# KiCad board processed.kicad_pcb (continued)
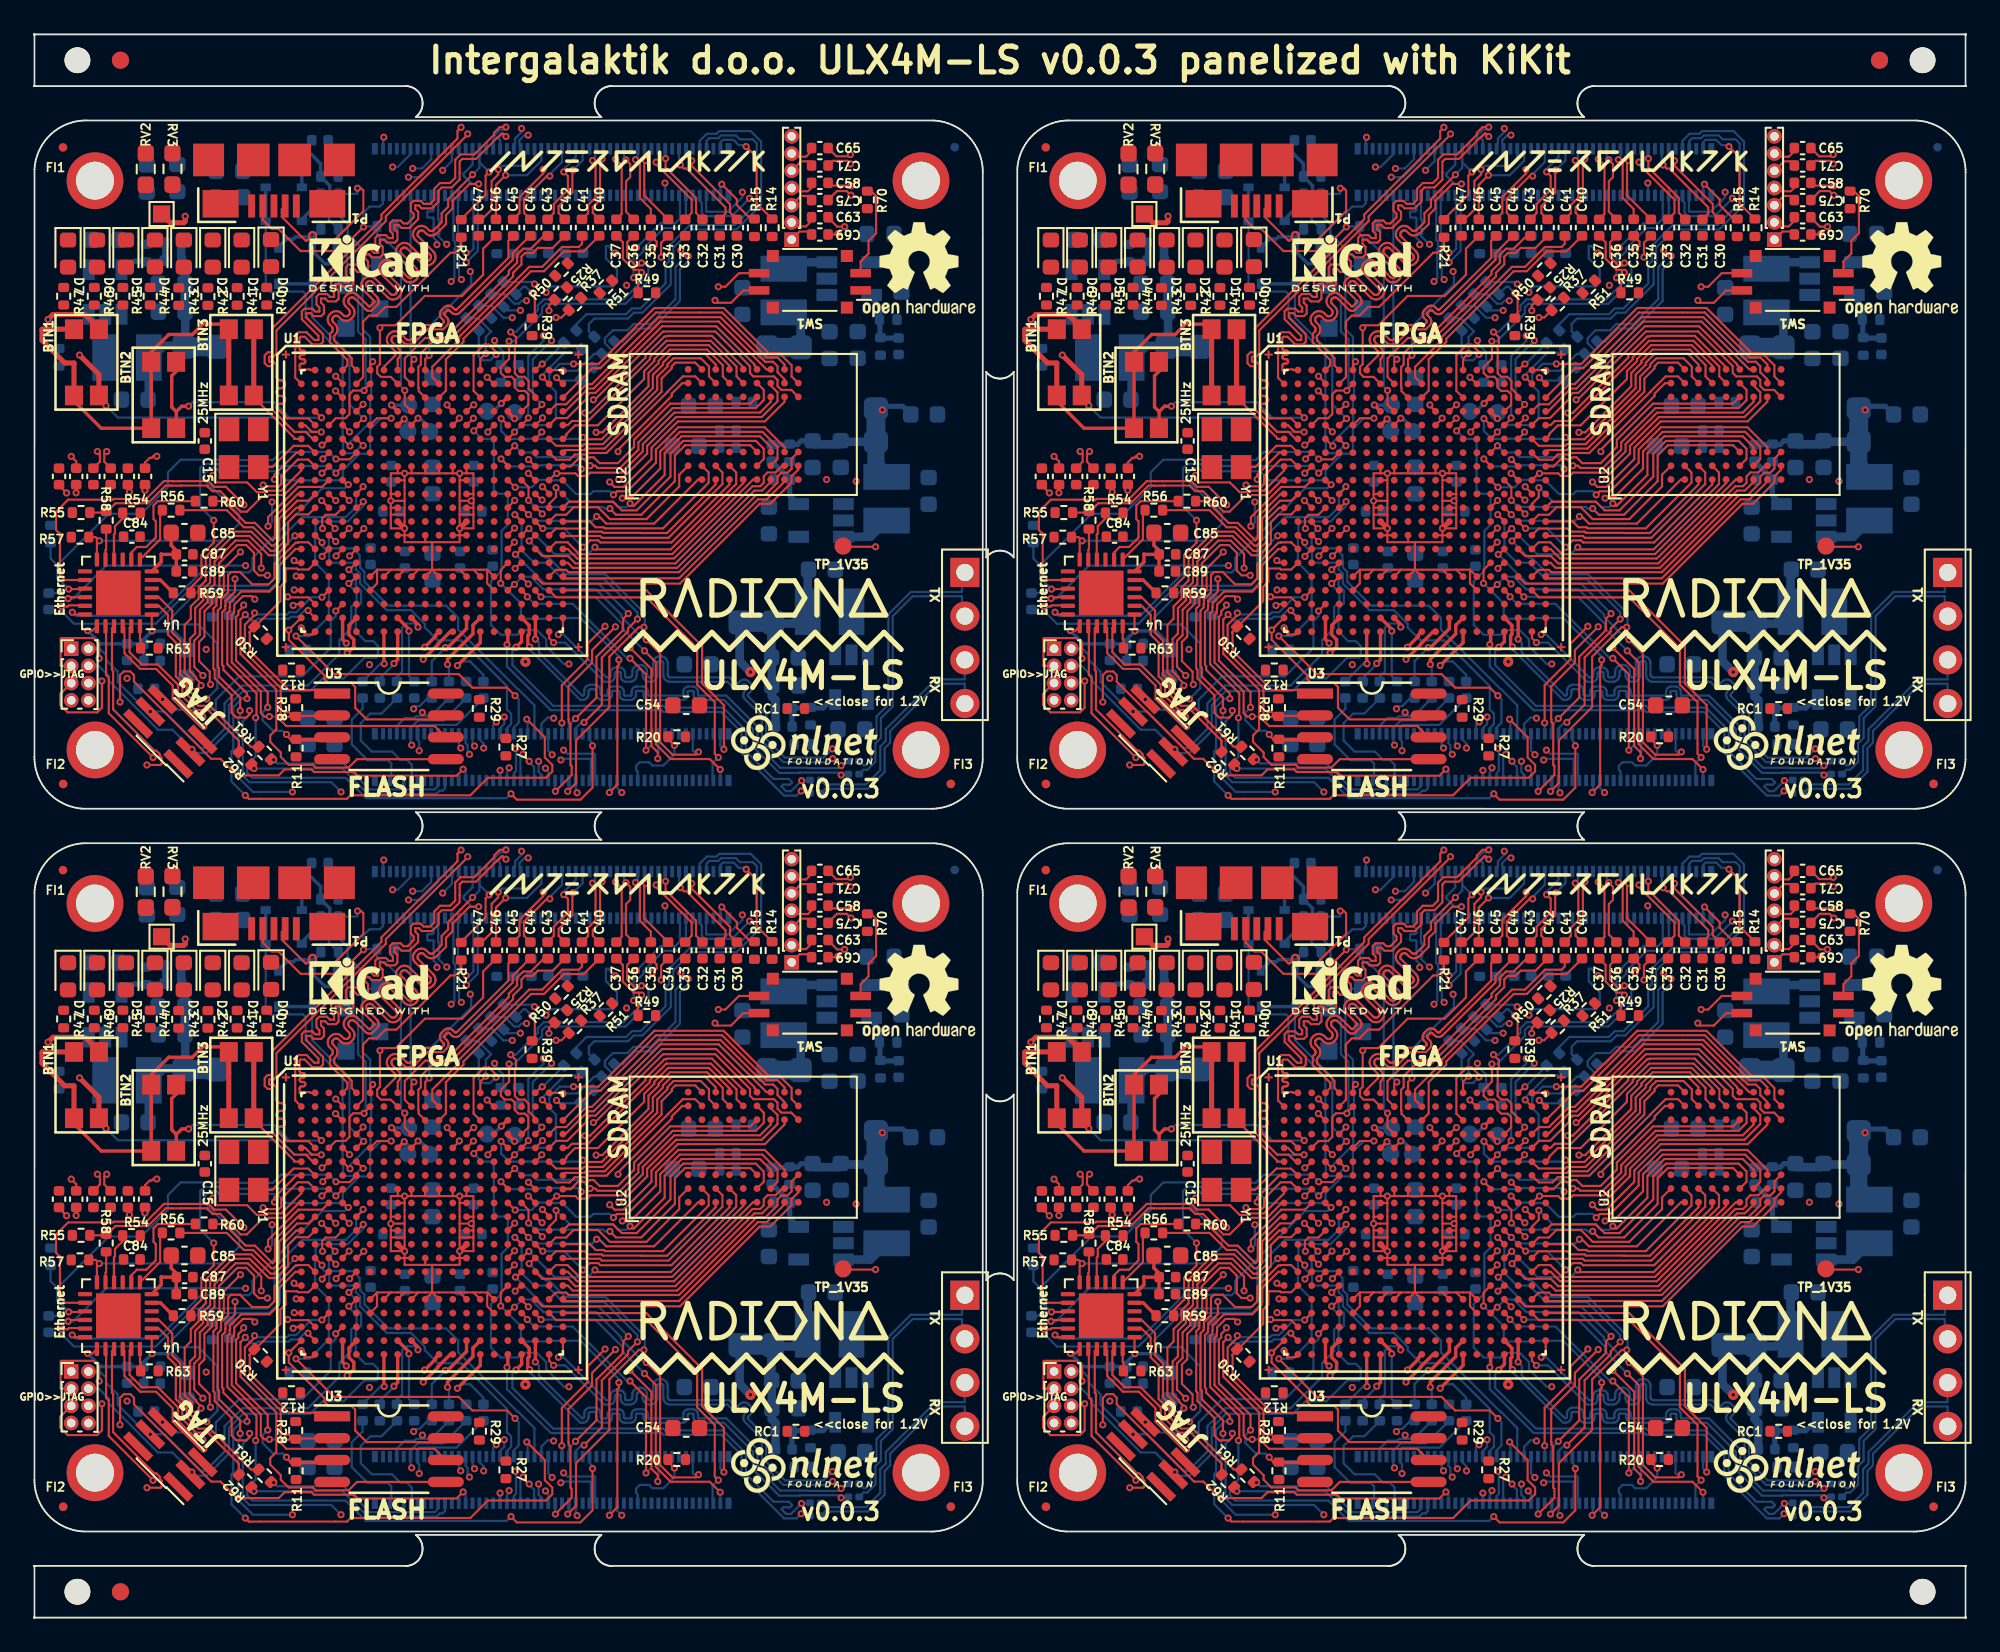
[diagram p0: board, top side]
## Nets (continued)
Board_3-USB_FPGA_D+: D8#4.1 R2#4.2 R4#3.2 R5#4.2 U1#4.A6 U1#4.F4
Board_3-USB_FPGA_D-: D9#4.1 R1#4.2 R6#4.2 R7#4.2 U1#4.B6 U1#4.E3
Board_3-USB_FPGA_PULL_D+: D10#4.2 D11#4.1 U1#4.F5
Board_3-USB_FPGA_PULL_D-: D12#4.2 D13#4.1 U1#4.E5
Board_3-USB_N: P1#4.2 R1#4.1

Pads without a net: C1 1 2; C1#2 1 2; C1#3 1 2; C1#4 1 2; C3 2; C3#2 2; C3#3 2; C3#4 2; C4 2; C4#2 2; C4#3 2; C4#4 2; C5 1 2; C5#2 1 2; C5#3 1 2; C5#4 1 2; C6 1; C6#2 1; C6#3 1; C6#4 1; C7 1 2; C7#2 1 2; C7#3 1 2; C7#4 1 2; C8 1 2; C8#2 1 2; C8#3 1 2; C8#4 1 2; C9 1 2; C9#2 1 2; C9#3 1 2; C9#4 1 2; C11 2; C11#2 2; C11#3 2; C11#4 2; C12 2; C12#2 2; C12#3 2; C12#4 2; C13 1 2; C13#2 1 2; C13#3 1 2; C13#4 1 2; C14 1 2; C14#2 1 2; C14#3 1 2; C14#4 1 2; C15 1 2; C15#2 1 2; C15#3 1 2; C15#4 1 2; C16 1 2; C16#2 1 2; C16#3 1 2; C16#4 1 2; C17 1 2; C17#2 1 2; C17#3 1 2; C17#4 1 2; C18 1 2; C18#2 1 2; C18#3 1 2; C18#4 1 2; C19 1 2; C19#2 1 2; C19#3 1 2; C19#4 1 2; C20 1 2; C20#2 1 2; C20#3 1 2; C20#4 1 2; C21 1 2; C21#2 1 2; C21#3 1 2; C21#4 1 2; C22 2; C22#2 2; C22#3 2; C22#4 2; C23 2; C23#2 2; C23#3 2; C23#4 2; C24 1 2; C24#2 1 2; C24#3 1 2; C24#4 1 2; C25 1 2; C25#2 1 2; C25#3 1 2; C25#4 1 2; C26 1 2; C26#2 1 2; C26#3 1 2; C26#4 1 2; C27 1 2; C27#2 1 2; C27#3 1 2; C27#4 1 2; C28 1 2; C28#2 1 2; C28#3 1 2; C28#4 1 2; C29 1 2; C29#2 1 2; C29#3 1 2; C29#4 1 2; C30 1; C30#2 1; C30#3 1; C30#4 1; C31 1; C31#2 1; C31#3 1; C31#4 1; C32 1; C32#2 1; C32#3 1; C32#4 1; C33 1; C33#2 1; C33#3 1; C33#4 1; C38 1 2; C38#2 1 2; C38#3 1 2; C38#4 1 2; C39 1 2; C39#2 1 2; C39#3 1 2; C39#4 1 2; C47 1; C47#2 1; C47#3 1; C47#4 1; C48 1 2; C48#2 1 2; C48#3 1 2; C48#4 1 2; C49 1 2; C49#2 1 2; C49#3 1 2; C49#4 1 2; C50 1 2; C50#2 1 2; C50#3 1 2; C50#4 1 2; C51 1 2; C51#2 1 2; C51#3 1 2; C51#4 1 2; C52 1 2; C52#2 1 2; C52#3 1 2; C52#4 1 2; C53 1 2; C53#2 1 2; C53#3 1 2; C53#4 1 2; C54 1 2; C54#2 1 2; C54#3 1 2; C54#4 1 2; C56 1; C56#2 1; C56#3 1; C56#4 1; C61 2; C61#2 2; C61#3 2; C61#4 2; C66 2; C66#2 2; C66#3 2; C66#4 2; C67 1; C67#2 1; C67#3 1; C67#4 1; C68 2; C68#2 2; C68#3 2; C68#4 2; C70 1; C70#2 1; C70#3 1; C70#4 1; C72 2; C72#2 2; C72#3 2; C72#4 2; C76 1 2; C76#2 1 2; C76#3 1 2; C76#4 1 2; C78 1 2; C78#2 1 2; C78#3 1 2; C78#4 1 2; C79 1 2; C79#2 1 2; C79#3 1 2; C79#4 1 2; C80 1 2; C80#2 1 2; C80#3 1 2; C80#4 1 2; C81 1 2; C81#2 1 2; C81#3 1 2; C81#4 1 2; C82 1 2; C82#2 1 2; C82#3 1 2; C82#4 1 2; C83 1; C83#2 1; C83#3 1; C83#4 1; C84 1 2; C84#2 1 2; C84#3 1 2; C84#4 1 2; C85 2; C85#2 2; C85#3 2; C85#4 2; C86 2; C86#2 2; C86#3 2; C86#4 2; C87 2; C87#2 2; C87#3 2; C87#4 2; C88 2; C88#2 2; C88#3 2; C88#4 2; C89 2; C89#2 2; C89#3 2; C89#4 2; C90 2; C90#2 2; C90#3 2; C90#4 2; C95 2; C95#2 2; C95#3 2; C95#4 2; C96 2; C96#2 2; C96#3 2; C96#4 2; C97 1 2; C97#2 1 2; C97#3 1 2; C97#4 1 2; C98 2; C98#2 2; C98#3 2; C98#4 2; D0 1 2; D0#2 1 2; D0#3 1 2; D0#4 1 2; D1 1 2; D1#2 1 2; D1#3 1 2; D1#4 1 2; D2 1 2; D2#2 1 2; D2#3 1 2; D2#4 1 2; D3 1 2; D3#2 1 2; D3#3 1 2; D3#4 1 2; D4 1 2; D4#2 1 2; D4#3 1 2; D4#4 1 2; D5 1 2; D5#2 1 2; D5#3 1 2; D5#4 1 2; D6 1 2; D6#2 1 2; D6#3 1 2; D6#4 1 2; D7 1 2; D7#2 1 2; D7#3 1 2; D7#4 1 2; D8 2; D8#2 2; D8#3 2; D8#4 2; D9 2; D9#2 2; D9#3 2; D9#4 2; FB1 1; FB1#2 1; FB1#3 1; FB1#4 1; H1 1; H1#2 1; H1#3 1; H1#4 1; H2 1; H2#2 1; H2#3 1; H2#4 1; H3 1; H3#2 1; H3#3 1; H3#4 1; H4 1; H4#2 1; H4#3 1; H4#4 1; J1 1 2 4 5 7 8 11 13 14 15 16 18 20 21 22 23 27 29 31 32 33 42 43 52 53 59 60 64 65 66 68 70 71 72 73 74 76 77 78 79 81 83 84 85 86 87 89 91 93 94 95 96 98 S1 S2 S3 S4; J1#2 1 2 4 5 7 8 11 13 14 15 16 18 20 21 22 23 27 29 31 32 33 42 43 52 53 59 60 64 65 66 68 70 71 72 73 74 76 77 78 79 81 83 84 85 86 87 89 91 93 94 95 96 98 S1 S2 S3 S4; J1#3 1 2 4 5 7 8 11 13 14 15 16 18 20 21 22 23 27 29 31 32 33 42 43 52 53 59 60 64 65 66 68 70 71 72 73 74 76 77 78 79 81 83 84 85 86 87 89 91 93 94 95 96 98 S1 S2 S3 S4; J1#4 1 2 4 5 7 8 11 13 14 15 16 18 20 21 22 23 27 29 31 32 33 42 43 52 53 59 60 64 65 66 68 70 71 72 73 74 76 77 78 79 81 83 84 85 86 87 89 91 93 94 95 96 98 S1 S2 S3 S4; J2 3 4 5 6 7 8 11 12 13 14 19 20 24 25 26 31 32 33 35 37 38 39 41 43 44 45 47 49 50 51 53 55 56 57 59 61 62 63 65 67 68 69 71 73 74 75 77 79 80 81 85 86 91 92 97 98 S1 S2 S3 S4; J2#2 3 4 5 6 7 8 11 12 13 14 19 20 24 25 26 31 32 33 35 37 38 39 41 43 44 45 47 49 50 51 53 55 56 57 59 61 62 63 65 67 68 69 71 73 74 75 77 79 80 81 85 86 91 92 97 98 S1 S2 S3 S4; J2#3 3 4 5 6 7 8 11 12 13 14 19 20 24 25 26 31 32 33 35 37 38 39 41 43 44 45 47 49 50 51 53 55 56 57 59 61 62 63 65 67 68 69 71 73 74 75 77 79 80 81 85 86 91 92 97 98 S1 S2 S3 S4; J2#4 3 4 5 6 7 8 11 12 13 14 19 20 24 25 26 31 32 33 35 37 38 39 41 43 44 45 47 49 50 51 53 55 56 57 59 61 62 63 65 67 68 69 71 73 74 75 77 79 80 81 85 86 91 92 97 98 S1 S2 S3 S4; J3 1 2 3 4 5 6; J3#2 1 2 3 4 5 6; J3#3 1 2 3 4 5 6; J3#4 1 2 3 4 5 6; J5 7; J5#2 7; J5#3 7; J5#4 7; J6 8; J6#2 8; J6#3 8; J6#4 8; L1 1; L1#2 1; L1#3 1; L1#4 1; L2 1; L2#2 1; L2#3 1; L2#4 1; P1 1 3 5 6; P1#2 1 3 5 6; P1#3 1 3 5 6; P1#4 1 3 5 6; R2 1; R2#2 1; R2#3 1; R2#4 1; R8 1 2; R8#2 1 2; R8#3 1 2; R8#4 1 2; R9 1 2; R9#2 1 2; R9#3 1 2; R9#4 1 2; R10 1 2; R10#2 1 2; R10#3 1 2; R10#4 1 2; R11 1 2; R11#2 1 2; R11#3 1 2; R11#4 1 2; R12 1 2; R12#2 1 2; R12#3 1 2; R12#4 1 2; R13 1 2; R13#2 1 2; R13#3 1 2; R13#4 1 2; R14 1; R14#2 1; R14#3 1; R14#4 1; R15 1; R15#2 1; R15#3 1; R15#4 1; R16 1 2; R16#2 1 2; R16#3 1 2; R16#4 1 2; R17 1 2; R17#2 1 2; R17#3 1 2; R17#4 1 2; R18 1 2; R18#2 1 2; R18#3 1 2; R18#4 1 2; R19 2; R19#2 2; R19#3 2; R19#4 2; R20 2; R20#2 2; R20#3 2; R20#4 2; R25 1; R25#2 1; R25#3 1; R25#4 1; R27 1 2; R27#2 1 2; R27#3 1 2; R27#4 1 2; R28 1 2; R28#2 1 2; R28#3 1 2; R28#4 1 2; R29 1 2; R29#2 1 2; R29#3 1 2; R29#4 1 2; R30 1 2; R30#2 1 2; R30#3 1 2; R30#4 1 2; R31 1 2; R31#2 1 2; R31#3 1 2; R31#4 1 2; R32 1 2; R32#2 1 2; R32#3 1 2; R32#4 1 2; R33 1 2; R33#2 1 2; R33#3 1 2; R33#4 1 2; R36 2; R36#2 2; R36#3 2; R36#4 2; R37 2; R37#2 2; R37#3 2; R37#4 2; R39 2; R39#2 2; R39#3 2; R39#4 2; R40 1 2; R40#2 1 2; R40#3 1 2; R40#4 1 2; R41 1 2; R41#2 1 2; R41#3 1 2; R41#4 1 2; R42 1 2; R42#2 1 2; R42#3 1 2; R42#4 1 2; R43 1 2; R43#2 1 2; R43#3 1 2; R43#4 1 2; R44 1 2; R44#2 1 2; R44#3 1 2; R44#4 1 2; R45 1 2; R45#2 1 2; R45#3 1 2; R45#4 1 2; R46 1 2; R46#2 1 2; R46#3 1 2; R46#4 1 2; R47 1 2; R47#2 1 2; R47#3 1 2; R47#4 1 2; R48 1 2; R48#2 1 2; R48#3 1 2; R48#4 1 2; R49 2; R49#2 2; R49#3 2; R49#4 2; R50 1 2; R50#2 1 2; R50#3 1 2; R50#4 1 2; R51 1 2; R51#2 1 2; R51#3 1 2; R51#4 1 2; R52 2; R52#2 2; R52#3 2; R52#4 2; R53 1; R53#2 1; R53#3 1; R53#4 1; R54 2; R54#2 2; R54#3 2; R54#4 2; R55 1; R55#2 1; R55#3 1; R55#4 1; R57 1; R57#2 1; R57#3 1; R57#4 1; R63 2; R63#2 2; R63#3 2; R63#4 2; R70 1; R70#2 1; R70#3 1; R70#4 1; RA1 1 2; RA1#2 1 2; RA1#3 1 2; RA1#4 1 2; RA2 1 2; RA2#2 1 2; RA2#3 1 2; RA2#4 1 2; RA3 1 2; RA3#2 1 2; RA3#3 1 2; RA3#4 1 2; RA4 1 2; RA4#2 1 2; RA4#3 1 2; RA4#4 1 2; RB1 1 2; RB1#2 1 2; RB1#3 1 2; RB1#4 1 2; RB2 1 2; RB2#2 1 2; RB2#3 1 2; RB2#4 1 2; RB3 1 2; RB3#2 1 2; RB3#3 1 2; RB3#4 1 2; RB4 1 2; RB4#2 1 2; RB4#3 1 2; RB4#4 1 2; RC1 1 2; RC1#2 1 2; RC1#3 1 2; RC1#4 1 2; RC2 1 2; RC2#2 1 2; RC2#3 1 2; RC2#4 1 2; RP1 1; RP1#2 1; RP1#3 1; RP1#4 1; RP2 1 2; RP2#2 1 2; RP2#3 1 2; RP2#4 1 2; RP3 2; RP3#2 2; RP3#3 2; RP3#4 2; RV2 1 2; RV2#2 1 2; RV2#3 1 2; RV2#4 1 2; RV3 1 2; RV3#2 1 2; RV3#3 1 2; RV3#4 1 2; SW1 1 5; SW1#2 1 5; SW1#3 1 5; SW1#4 1 5; U1 A3 A11 A12 A13 A15 A16 A17 B2 B3 B7 B10 B12 B13 B14 B16 B17 B18 C1 C2 C3 C5 C6 C7 C8 C9 C12 C13 C15 C17 C19 D1 D3 D4 D6 D7 D10 D11 D14 D15 E7 E10 E11 F6 F7 F8 F9 F10 F11 F12 F13 F14 F15 F17 G4 G6 G7 G8 G9 G10 G11 G12 G13 G14 G15 G17 G18 H5 H6 H7 H14 H15 H17 H19 J2 J5 J6 J7 J9 J10 J11 J12 J14 J15 J20 K6 K7 K9 K10 K11 K12 K14 K15 K16 K17 K20 L6 L7 L9 L10 L11 L12 L14 L15 M1 M2 M4 M5 M6 M7 M9 M10 M11 M12 M14 M15 M16 N6 N7 N11 N14 N15 P6 P7 P8 P9 P10 P11 P12 P13 P14 P15 R3 R4 R18 R19 T2 T3 T4 T12 T16 U2 U4 U5 U7 U8 U9 U10 U11 U12 U13 U14 V3 V5 V6 V7 V8 V9 V10 V11 V12 V13 V14 V15 V16 V17 V18 V19 V20 W3 W6 W7 W10 W11 W12 W15 W16 W19 X Y3 Y5 Y6 Y15; U1#2 A3 A11 A12 A13 A15 A16 A17 B2 B3 B7 B10 B12 B13 B14 B16 B17 B18 C1 C2 C3 C5 C6 C7 C8 C9 C12 C13 C15 C17 C19 D1 D3 D4 D6 D7 D10 D11 D14 D15 E7 E10 E11 F6 F7 F8 F9 F10 F11 F12 F13 F14 F15 F17 G4 G6 G7 G8 G9 G10 G11 G12 G13 G14 G15 G17 G18 H5 H6 H7 H14 H15 H17 H19 J2 J5 J6 J7 J9 J10 J11 J12 J14 J15 J20 K6 K7 K9 K10 K11 K12 K14 K15 K16 K17 K20 L6 L7 L9 L10 L11 L12 L14 L15 M1 M2 M4 M5 M6 M7 M9 M10 M11 M12 M14 M15 M16 N6 N7 N11 N14 N15 P6 P7 P8 P9 P10 P11 P12 P13 P14 P15 R3 R4 R18 R19 T2 T3 T4 T12 T16 U2 U4 U5 U7 U8 U9 U10 U11 U12 U13 U14 V3 V5 V6 V7 V8 V9 V10 V11 V12 V13 V14 V15 V16 V17 V18 V19 V20 W3 W6 W7 W10 W11 W12 W15 W16 W19 X Y3 Y5 Y6 Y15; U1#3 A3 A11 A12 A13 A15 A16 A17 B2 B3 B7 B10 B12 B13 B14 B16 B17 B18 C1 C2 C3 C5 C6 C7 C8 C9 C12 C13 C15 C17 C19 D1 D3 D4 D6 D7 D10 D11 D14 D15 E7 E10 E11 F6 F7 F8 F9 F10 F11 F12 F13 F14 F15 F17 G4 G6 G7 G8 G9 G10 G11 G12 G13 G14 G15 G17 G18 H5 H6 H7 H14 H15 H17 H19 J2 J5 J6 J7 J9 J10 J11 J12 J14 J15 J20 K6 K7 K9 K10 K11 K12 K14 K15 K16 K17 K20 L6 L7 L9 L10 L11 L12 L14 L15 M1 M2 M4 M5 M6 M7 M9 M10 M11 M12 M14 M15 M16 N6 N7 N11 N14 N15 P6 P7 P8 P9 P10 P11 P12 P13 P14 P15 R3 R4 R18 R19 T2 T3 T4 T12 T16 U2 U4 U5 U7 U8 U9 U10 U11 U12 U13 U14 V3 V5 V6 V7 V8 V9 V10 V11 V12 V13 V14 V15 V16 V17 V18 V19 V20 W3 W6 W7 W10 W11 W12 W15 W16 W19 X Y3 Y5 Y6 Y15; U1#4 A3 A11 A12 A13 A15 A16 A17 B2 B3 B7 B10 B12 B13 B14 B16 B17 B18 C1 C2 C3 C5 C6 C7 C8 C9 C12 C13 C15 C17 C19 D1 D3 D4 D6 D7 D10 D11 D14 D15 E7 E10 E11 F6 F7 F8 F9 F10 F11 F12 F13 F14 F15 F17 G4 G6 G7 G8 G9 G10 G11 G12 G13 G14 G15 G17 G18 H5 H6 H7 H14 H15 H17 H19 J2 J5 J6 J7 J9 J10 J11 J12 J14 J15 J20 K6 K7 K9 K10 K11 K12 K14 K15 K16 K17 K20 L6 L7 L9 L10 L11 L12 L14 L15 M1 M2 M4 M5 M6 M7 M9 M10 M11 M12 M14 M15 M16 N6 N7 N11 N14 N15 P6 P7 P8 P9 P10 P11 P12 P13 P14 P15 R3 R4 R18 R19 T2 T3 T4 T12 T16 U2 U4 U5 U7 U8 U9 U10 U11 U12 U13 U14 V3 V5 V6 V7 V8 V9 V10 V11 V12 V13 V14 V15 V16 V17 V18 V19 V20 W3 W6 W7 W10 W11 W12 W15 W16 W19 X Y3 Y5 Y6 Y15; U2 A1 A3 A7 A9 B3 B7 C3 C7 D3 D7 E2 E3 E7 J1 J9; U2#2 A1 A3 A7 A9 B3 B7 C3 C7 D3 D7 E2 E3 E7 J1 J9; U2#3 A1 A3 A7 A9 B3 B7 C3 C7 D3 D7 E2 E3 E7 J1 J9; U2#4 A1 A3 A7 A9 B3 B7 C3 C7 D3 D7 E2 E3 E7 J1 J9; U3 4 8; U3#2 4 8; U3#3 4 8; U3#4 4 8; U4 4 9 13 25; U4#2 4 9 13 25; U4#3 4 9 13 25; U4#4 4 9 13 25; U5 1 2 3 4; U5#2 1 2 3 4; U5#3 1 2 3 4; U5#4 1 2 3 4; U6 1 2 3 4; U6#2 1 2 3 4; U6#3 1 2 3 4; U6#4 1 2 3 4; U7 1 2 4; U7#2 1 2 4; U7#3 1 2 4; U7#4 1 2 4; U8 1 2 4; U8#2 1 2 4; U8#3 1 2 4; U8#4 1 2 4; Y1 1 2 4; Y1#2 1 2 4; Y1#3 1 2 4; Y1#4 1 2 4

## Via types
v1: diameter 0.419, hole 0.2, Top to Bottom, 1372 vias
v2: diameter 0.6, hole 0.2, Top to Bottom, 8 vias
v3: diameter 0.42, hole 0.2, Top to Bottom, 4 vias

## Routing (per net, layer and track width the routed paths; a pad name or vN(x,y) marks a point on that pad's centre or on a via; arc(x,y) is an arc through that point)
Board_0-/ethernet/VDDCR: length 4.5
  Top w0.2: U4.6 7.36,61.34 7.36,61.8 7.38,61.79 C87.1 ; C87.1 8.24,61.78 C89.1 ; C87.1 8.25,62.01 7.95,62.31 C85.1
Board_0-/power/P1V1: length 10.9
  Bottom w0.5: C2.1 43.06,51.79 43.06,53.32 42.85,53.53 C3.1 42.85,55.78 C4.1 42.83,55.81 42.83,57.76 44.08,57.76 44.77,58.46 L1.2 44.94,60.85 C22.1
Board_0-/power/P1V35: length 8.6
  Bottom w0.3: C77.1 43.88,68.16 43.89,68.17 44.34,68.17 44.55,68.38 C95.1
  Bottom w0.5: C95.1 45.42,68.18 46.64,68.18 C96.1 46.92,68.33 RP4.1
  Bottom w1: RP4.1 48.9,66.91 L4.2
Board_0-/power/P2V5: length 10.9
  Bottom w0.5: C10.1 8.53,79.89 8.53,78.36 8.74,78.15 C11.1 8.74,75.9 C12.1 8.77,75.87 8.77,73.91 7.51,73.91 6.82,73.22 L2.2 6.65,70.82 C23.1
Board_0-/power/P3V3: length 2.7
  Bottom w0.5: RP3.1 44.53,75.23 43.91,75.85 L3.2
Board_1-/ethernet/VDDCR: length 4.5
  Top w0.2: C87#2.1 64.49,61.79 64.48,61.8 64.48,61.34 U4#2.6 ; C87#2.1 65.35,61.78 C89#2.1 ; C87#2.1 65.36,62.01 65.06,62.31 C85#2.1
Board_1-/power/P1V1: length 10.9
  Bottom w0.5: C22#2.1 102.05,60.85 L1#2.2 101.89,58.46 101.19,57.76 99.94,57.76 99.94,55.81 C4#2.1 99.96,55.78 C3#2.1 99.96,53.53 100.17,53.32 100.17,51.79 C2#2.1
Board_1-/power/P1V35: length 8.6
  Bottom w0.3: C77#2.1 101,68.16 101,68.17 101.45,68.17 101.67,68.38 C95#2.1
  Bottom w0.5: RP4#2.1 104.03,68.33 C96#2.1 103.75,68.18 102.53,68.18 C95#2.1
  Bottom w1: RP4#2.1 106.01,66.91 L4#2.2
Board_1-/power/P2V5: length 10.9
  Bottom w0.5: C10#2.1 65.64,79.89 65.64,78.36 65.85,78.15 C11#2.1 65.85,75.9 C12#2.1 65.88,75.87 65.88,73.91 64.62,73.91 63.93,73.22 L2#2.2 63.76,70.82 C23#2.1
Board_1-/power/P3V3: length 2.7
  Bottom w0.5: RP3#2.1 101.64,75.23 101.02,75.85 L3#2.2
Board_2-/ethernet/VDDCR: length 4.5
  Top w0.2: C89#3.1 8.24,19.77 C87#3.1 ; C87#3.1 7.38,19.78 7.36,19.8 7.36,19.34 U4#3.6 ; C87#3.1 8.25,20 7.95,20.31 C85#3.1
Board_2-/power/P1V1: length 10.9
  Bottom w0.5: C2#3.1 43.06,9.79 43.06,11.32 42.85,11.53 C3#3.1 42.85,13.78 C4#3.1 42.83,13.8 42.83,15.76 44.08,15.76 44.77,16.45 L1#3.2 44.94,18.85 C22#3.1
Board_2-/power/P1V35: length 8.6
  Bottom w0.3: C77#3.1 43.88,26.16 43.89,26.16 44.34,26.16 44.55,26.38 C95#3.1
  Bottom w0.5: RP4#3.1 46.92,26.33 C96#3.1 46.64,26.18 45.42,26.18 C95#3.1
  Bottom w1: L4#3.2 48.9,24.91 RP4#3.1
Board_2-/power/P2V5: length 10.9
  Bottom w0.5: C10#3.1 8.53,37.88 8.53,36.35 8.74,36.14 C11#3.1 8.74,33.89 C12#3.1 8.77,33.87 8.77,31.91 7.51,31.91 6.82,31.22 L2#3.2 6.65,28.82 C23#3.1
Board_2-/power/P3V3: length 2.7
  Bottom w0.5: RP3#3.1 44.53,33.23 43.91,33.84 L3#3.2
Board_3-/ethernet/VDDCR: length 4.5
  Top w0.2: U4#4.6 64.48,19.34 64.48,19.8 64.49,19.78 C87#4.1 ; C85#4.1 65.06,20.31 65.36,20 C87#4.1 ; C87#4.1 65.35,19.77 C89#4.1
Board_3-/power/P1V1: length 10.9
  Bottom w0.5: C2#4.1 100.17,9.79 100.17,11.32 99.96,11.53 C3#4.1 99.96,13.78 C4#4.1 99.94,13.8 99.94,15.76 101.19,15.76 101.89,16.45 L1#4.2 102.05,18.85 C22#4.1
Board_3-/power/P1V35: length 8.6
  Bottom w0.3: C77#4.1 101,26.16 101,26.16 101.45,26.16 101.67,26.38 C95#4.1
  Bottom w0.5: RP4#4.1 104.03,26.33 C96#4.1 103.75,26.18 102.53,26.18 C95#4.1
  Bottom w1: L4#4.2 106.01,24.91 RP4#4.1
Board_3-/power/P2V5: length 10.9
  Bottom w0.5: C10#4.1 65.64,37.88 65.64,36.35 65.85,36.14 C11#4.1 65.85,33.89 C12#4.1 65.88,33.87 65.88,31.91 64.62,31.91 63.93,31.22 L2#4.2 63.76,28.82 C23#4.1
Board_3-/power/P3V3: length 2.7
  Bottom w0.5: L3#4.2 101.02,33.84 101.64,33.23 RP3#4.1
Board_0-+1V1: length 125
  Top w0.127: U1.H8 21.11,66.5 ; 21.11,66.5 v1(21.51,66.5) ; 21.11,66.5 20.71,66.5 20.71,65.3 ; U1.T6 19.91,60.9 ; 19.91,60.9 20.71,60.9 ; 19.91,60.9 19.91,60.1 U1.U6 ; U1.K8 20.71,65.3 ; 20.71,65.3 v1(20.71,64.9) ; 25.51,65.3 25.51,65.02 v1(25.38,64.9) ; 25.51,65.3 25.51,66.5 25.11,66.5 ; 25.51,65.3 U1.K13 ; 20.71,60.9 U1.T7 ; 20.71,60.9 21.51,60.9 ; v1(24.71,63.3) 24.71,64.1 ; v1(24.71,63.3) 25.51,63.3 25.51,64.1 ; v1(24.71,63.3) 24.71,62.9 ; 21.51,64.9 21.51,66.1 ; 21.51,64.9 v1(20.71,64.9) ; 21.51,64.9 21.51,64.1 ; 25.51,64.1 24.71,64.1 ; 25.51,64.1 25.51,64.5 ; v1(20.71,64.9) 20.71,64.5 ; 20.71,64.5 U1.L8 ; 20.71,64.5 20.71,64.1 ; v1(21.51,63.3) 21.51,64.1 ; v1(21.51,63.3) 20.71,63.3 20.71,64.1 ; v1(21.51,63.3) 21.51,62.9 ; v1(25.38,64.9) 25.51,64.77 25.51,64.5 ; v1(25.38,64.9) 24.71,64.9 ; U1.T15 26.31,60.9 ; 26.31,60.9 26.31,60.1 U1.U15 ; 26.31,60.9 25.51,60.9 ; 22.31,60.9 21.51,60.9 ; 22.31,60.9 U1.T9 ; 22.31,60.9 23.11,60.9 ; 21.91,66.5 22.71,66.5 ; 21.91,66.5 v1(21.51,66.5) ; 21.91,66.5 U1.H9 ; 24.71,64.1 24.71,64.9 ; 24.71,62.9 U1.N13 ; 24.71,62.9 24.71,62.5 23.11,62.5 ; 24.71,62.9 U1.N12 ; 25.51,64.5 U1.L13 ; 24.71,66.1 24.71,64.9 ; 24.71,66.1 v1(24.71,66.5) ; 24.71,66.1 U1.J13 ; 22.71,62.5 21.51,62.5 21.51,62.9 ; 22.71,62.5 23.11,62.5 ; 22.71,62.5 U1.N10 ; 20.71,64.1 21.51,64.1 ; v1(21.51,66.5) 21.51,66.1 ; 23.51,66.5 24.31,66.5 ; 23.51,66.5 U1.H11 ; 23.51,66.5 22.71,66.5 ; 23.11,60.9 23.11,62.5 ; 23.11,60.9 24.71,60.9 ; 23.11,60.9 U1.T10 ; 23.11,60.9 U1.T11 ; 24.31,66.5 v1(24.71,66.5) ; 24.31,66.5 U1.H12 ; v1(24.71,66.5) 25.11,66.5 ; 25.51,60.9 U1.T14 ; 25.51,60.9 24.71,60.9 ; 21.51,62.9 U1.N8 ; 21.51,62.9 U1.N9 ; U1.H13 25.11,66.5 ; 24.71,60.9 U1.T13 ; 21.51,66.1 U1.J8 ; 22.71,66.5 U1.H10 ; 21.51,60.9 U1.T8
  Top w0.3: U1.M13 v1(24.71,63.3) ; 1.1V_1.1 7.9,81.05 8.68,81.05 8.76,81.14 v1(8.76,81.43) ; U1.M8 v1(21.51,63.3)
  In2.Cu w0.3: v1(19.47,55.38) 19.14,55.04 11.2,55.04 v1(9.98,56.27)
  In3.Cu w0.3: v2(28.53,55.55) 27.62,54.64 20.21,54.64 v1(19.47,55.38) 21.27,57.18 21.27,57.55 22.5,58.78 22.54,58.78 22.8,59.03 22.8,62.01 v1(21.51,63.3) ; v1(8.76,81.43) 9.1,81.09 9.1,71.88 9.45,71.53 9.45,64.55 9.93,64.06 9.93,56.31 v1(9.98,56.27)
  In3.Cu w0.5: v2(41.61,54.95) 41.3,54.64 29.44,54.64 v2(28.53,55.55)
  Bottom w0.5: v2(41.61,54.95) 40.98,55.57 RP1.2
Board_0-+1V35: length 19.8
  Top w0.127: TP_1V35.1 47.03,62.23 v1(48.88,62.23)
  In3.Cu w0.3: v1(49.27,70.18) 49.15,70.3 49.15,71.69 48.53,71.69 48.47,71.76 48.47,68.67 47.68,67.88 48.18,67.38 48.18,66.46 v1(47.75,66.03) 47.65,66.14 v1(46.03,66.14) 46.66,65.51 46.66,64.45 v1(48.88,62.23)
  Bottom w0.3: C98.1 50.45,70.39 49.48,70.39 v1(49.27,70.18) 48.99,70.18 RP4.2
Board_0-+3.3VA: length 13.5
  Top w0.127: v1(3.09,57.36) 3.38,57.36 U4.19 ; v1(6.84,57.34) 6.82,57.36 U4.1
  In3.Cu w0.2: v1(3.09,57.36) 3.11,57.34 v1(6.84,57.34)
  Bottom w0.2: v1(3.09,57.36) 3.86,56.59 C86.1 C90.1 ; C88.1 6.36,55.61 C90.1 ; C90.1 6.36,56.86 v1(6.84,57.34) 8.06,57.34 8.84,56.56 FB1.2
Board_0-/ethernet/ACTLED: length 12.2
  Top w0.127: R61.2 12.58,50.61 10.2,52.98 9.52,52.98 8.85,53.65 8.85,54.43 8.47,54.81 8.47,56.78 8.01,57.24 8.01,58.52 7.23,59.3 U4.3
Board_0-/ethernet/LINKLED: length 11.2
  Top w0.127: U4.2 7.23,58.8 7.76,58.27 7.76,57.13 8.22,56.67 8.22,54.7 8.59,54.32 8.59,53.55 9.41,52.73 10.1,52.73 11.88,50.95 R62.2
Board_0-/ethernet/RBIAS: length 1.3
  Top w0.127: R63.1 6.17,56.85 6.13,56.89 U4.24
Board_0-/ethernet/XTAL: length 1.6
  Top w0.2: R59.1 7.32,60.3 U4.5
Board_0-/flash/FLASH_MISO: length 16.6
  Top w0.127: U3.2 17.28,52.4 15.18,52.4 ; v1(14.72,59.32) 14.75,59.29 15.92,59.29 U1.V2 ; v1(12.81,59.18) 12.63,59.36 12.11,59.36 11.61,58.86 11.61,58.6 11.6,58.58 11.6,58.39 11.47,58.25 11.47,55.51 13.16,53.82 13.16,52.56 13.36,52.36 v1(13.66,52.36)
  Top w0.2: v1(14.71,52.49) 14.8,52.4 15.18,52.4
  In2.Cu w0.127: v1(12.81,59.18) 12.95,59.32 v1(14.72,59.32)
  Bottom w0.127: v1(13.66,52.36) 14.58,52.36 v1(14.71,52.49)
Board_0-/flash/FLASH_MOSI: length 24.3
  Top w0.127: v1(15.9,58.53) 15.9,58.51 U1.W2 ; v1(12.25,58.29) 11.97,58.01 11.97,56 14.06,53.92 14.06,51.62 13.71,51.27 13.71,50.88 14.32,50.27 14.32,50.01 14.77,49.56 16.18,49.56 16.35,49.39 18.25,49.39 18.74,49.89 U3.5
  Bottom w0.127: v1(12.25,58.29) 12.59,57.94 12.9,57.94 13,58.04 14.79,58.04 14.91,58.16 15.33,58.16 15.7,58.53 v1(15.9,58.53)
Board_0-/flash/FLASH_nCS: length 13.4
  Top w0.127: U3.1 17.09,53.9 14.79,53.9 12.51,56.18 12.51,57.22 12.48,57.26 14.29,59.06 14.29,59.9 14.6,60.21 14.6,60.96 15.26,60.96 15.32,60.9 15.92,60.9 U1.R2
Board_0-/flash/FLASH_nHOLD: length 13.6
  Top w0.127: U3.7 23.68,52.2 19.31,52.2 18.64,52.87 18.64,54.09 18.41,54.32 17.07,54.32 16.86,54.53 16.86,54.75 14.78,56.82 v1(14.78,57.39) 15.49,58.1 U1.W1
Board_0-/flash/FLASH_nWP: length 17.4
  Top w0.127: v1(13.56,52.89) 13.56,53.78 11.72,55.61 11.72,58.15 11.85,58.28 11.85,58.48 12.16,58.78 v1(12.16,58.84) ; v1(14.64,51.32) 14.64,51.28 14.92,51.01 ; 15.72,57.13 16.16,57.13 16.31,57.27
  Top w0.19: v1(15.51,57.51) 15.72,57.31 15.72,57.13 ; U1.Y2 16.31,57.27
  Top w0.2: U3.3 17.16,51.01 14.92,51.01
  In2.Cu w0.127: v1(15.51,57.51) 14.73,58.3 13.47,58.3 12.98,58.78 12.22,58.78 v1(12.16,58.84)
  Bottom w0.127: v1(14.64,51.32) 14.43,51.53 13.87,51.53 13.26,52.14 13.26,52.59 v1(13.56,52.89)
Board_0-/flash/FLASH_SCK: length 22.3
  Top w0.127: U3.6 23.25,51.81 14.64,51.81 14.31,52.14 14.31,54.02 12.23,56.11 12.23,57.69 12.79,58.26 v1(12.79,58.38) ; U1.U3 v1(16.71,59.29)
  Bottom w0.127: v1(16.71,59.29) 16.09,59.29 15.21,58.42 14.8,58.42 14.68,58.3 12.88,58.3 v1(12.79,58.38)
Board_0-/gpio/CAM0_D0_LP: length 11.8
  Top w0.127: R21.2 24.8,79.69 24.43,79.32 24.18,79.32 21.03,76.17 20.4,76.17 19.9,75.67 19.45,75.67 19.1,75.32 19.1,72.09 U1.B5
Board_0-/power/FB1: length 3.8
  Bottom w0.3: U5.5 46.31,53.35 45.83,52.86 44.05,52.86 44.02,52.83 44.02,51.79 C2.2
Board_0-/power/FB2: length 3.8
  Bottom w0.3: U6.5 5.27,78.33 5.76,78.82 7.54,78.82 7.57,78.85 7.57,79.89 C10.2
Board_0-/power/FB3: length 3.8
  Bottom w0.3: 50.22,74.36 50.2,74.35 49.17,74.35 49.13,74.38 49.13,76.16 48.65,76.65 U7.5
Board_0-/power/FB4: length 3.1
  Bottom w0.3: C77.2 43.88,66.16 43.88,65.23 U8.5
Board_0-/power/L3: length 2.7
  Bottom w0.5: U7.3 43.91,78.76 L3.1
Board_0-/power/L4: length 2.9
  Bottom w0.5: L4.1 48.58,62.81 U8.3
Board_0-/serdes/1N: length 15.8
  Bottom w0.127: J4.1 53.9,60.57 53.9,59.6 50.93,59.6 49.62,58.3 49.62,53.06 48.93,52.37 48.93,51.23 48.61,50.91 48.61,49.84 48.3,49.52 48.18,49.52 C91.1
Board_0-/serdes/1P: length 15.8
  Bottom w0.127: J4.2 53.9,58.37 53.9,59.35 51.03,59.35 49.88,58.19 49.88,52.95 49.19,52.26 49.19,51.12 48.87,50.8 48.87,49.73 48.4,49.27 48.18,49.27 C92.1
Board_0-/serdes/2N: length 13.3
  Bottom w0.127: C93.1 45.95,48.42 48.32,48.42 49.15,49.25 49.15,50.63 49.47,50.95 49.47,51.63 52.37,54.52 54.06,54.52 54.06,55.65 J4.3
Board_0-/serdes/2P: length 13.4
  Bottom w0.127: J4.4 54.06,53.13 54.06,54.27 52.47,54.27 49.73,51.52 49.73,50.84 49.41,50.52 49.41,49.14 48.43,48.16 45.95,48.16 C94.1
Board_0-/serdes/CLK_0_N: length 30.1
  Top w0.127: v1(1.87,65.35) 1.43,65.79 C66.1
  Top w0.2: v1(22.59,55.69) 23.45,56.54 23.45,56.57 24.17,57.3 U1.Y12
  In2.Cu w0.127: v1(1.87,65.35) 2.16,65.06 2.16,63.01 10.76,54.41 21.31,54.41 v1(22.59,55.69)
Board_0-/serdes/CLK_0_P: length 30.1
  Top w0.127: C59.2 2.43,65.37 v1(2.42,65.37)
  Top w0.2: U1.Y11 23.31,57.1 23.31,57.02 v1(22.67,56.39)
  In2.Cu w0.127: v1(22.67,56.39) 22.65,56.39 22.25,55.98 22.04,55.98 21.56,56.46 21.35,56.46 21.35,56.25 21.83,55.77 21.83,55.56 20.93,54.66 10.86,54.66 2.42,63.1 v1(2.42,65.37)
Board_0-/serdes/CLK_1_N: length 69.4
  Top w0.127: v1(30.45,57.13) 30.71,57.39 U1.W20 ; v1(46.69,80.43) 46.64,80.38 C69.1
  In2.Cu w0.127: v1(46.69,80.43) 46.88,80.43 47.16,80.14 47.19,80.1 47.21,80.06 47.22,80.02 47.22,79.98 47.21,79.93 47.19,79.89 47.16,79.86 46.97,79.67 46.95,79.63 46.93,79.59 46.92,79.55 46.92,79.5 46.93,79.46 46.95,79.42 46.97,79.38 47.01,79.36 47.05,79.34 47.09,79.33 47.14,79.33 47.18,79.34 47.22,79.36 47.26,79.38 47.45,79.57 47.48,79.6 47.52,79.62 47.57,79.63 47.61,79.63 47.66,79.62 47.7,79.6 47.73,79.57 47.76,79.54 47.78,79.5 47.79,79.46 47.79,79.41 47.78,79.37 47.76,79.33 47.73,79.29 47.54,79.1 47.51,79.07 47.49,79.03 47.48,78.98 47.48,78.94 47.49,78.89 47.51,78.85 47.54,78.82 47.57,78.79 47.62,78.77 47.66,78.76 47.7,78.76 47.75,78.77 47.79,78.79 47.82,78.82 48.01,79.01 48.05,79.04 48.09,79.06 48.13,79.07 48.18,79.07 48.22,79.06 48.26,79.04 48.3,79.01 48.63,78.68 49.51,78.68 49.87,78.32 49.89,78.29 49.9,78.26 49.91,78.23 49.91,78.19 49.9,78.16 49.89,78.13 49.87,78.11 49.76,78 49.71,77.93 49.67,77.86 49.65,77.77 49.65,77.69 49.67,77.61 49.71,77.53 49.76,77.46 49.83,77.4 49.9,77.34 49.97,77.31 50.06,77.29 50.14,77.29 50.22,77.31 50.3,77.34 50.37,77.4 50.95,77.98 50.98,78 51.01,78.02 51.04,78.02 51.07,78.02 51.11,78.02 51.14,78 51.16,77.98 51.2,77.95 51.22,77.92 51.23,77.89 51.24,77.86 51.24,77.82 51.23,77.79 51.22,77.76 51.2,77.74 50.61,77.15 50.56,77.08 50.52,77.01 50.5,76.93 50.5,76.84 50.52,76.76 50.56,76.68 50.61,76.62 50.68,76.55 50.75,76.49 50.82,76.46 50.91,76.44 50.99,76.44 51.07,76.46 51.15,76.49 51.22,76.55 51.8,77.13 51.83,77.15 51.86,77.17 51.89,77.17 51.92,77.17 51.95,77.17 51.98,77.15 52.01,77.13 52.05,77.1 52.07,77.07 52.08,77.04 52.09,77.01 52.09,76.98 52.08,76.94 52.07,76.91 52.05,76.89 51.46,76.3 51.41,76.24 51.37,76.16 51.35,76.08 51.35,75.99 51.37,75.91 51.41,75.83 51.46,75.77 51.53,75.7 51.6,75.65 51.67,75.61 51.75,75.59 51.84,75.59 51.92,75.61 52,75.65 52.06,75.7 52.17,75.8 52.2,75.83 52.23,75.84 52.26,75.85 52.29,75.85 52.32,75.84 52.35,75.83 52.38,75.8 52.89,75.29 52.89,67.05 51.93,66.09 51.93,64.11 49.07,61.24 49.07,53.26 47.46,51.65 47.46,51.58 v1(46.37,50.49)